# Altium PCB Stabilizer_Pounder.PcbDoc (part 2 of 7) (continued)
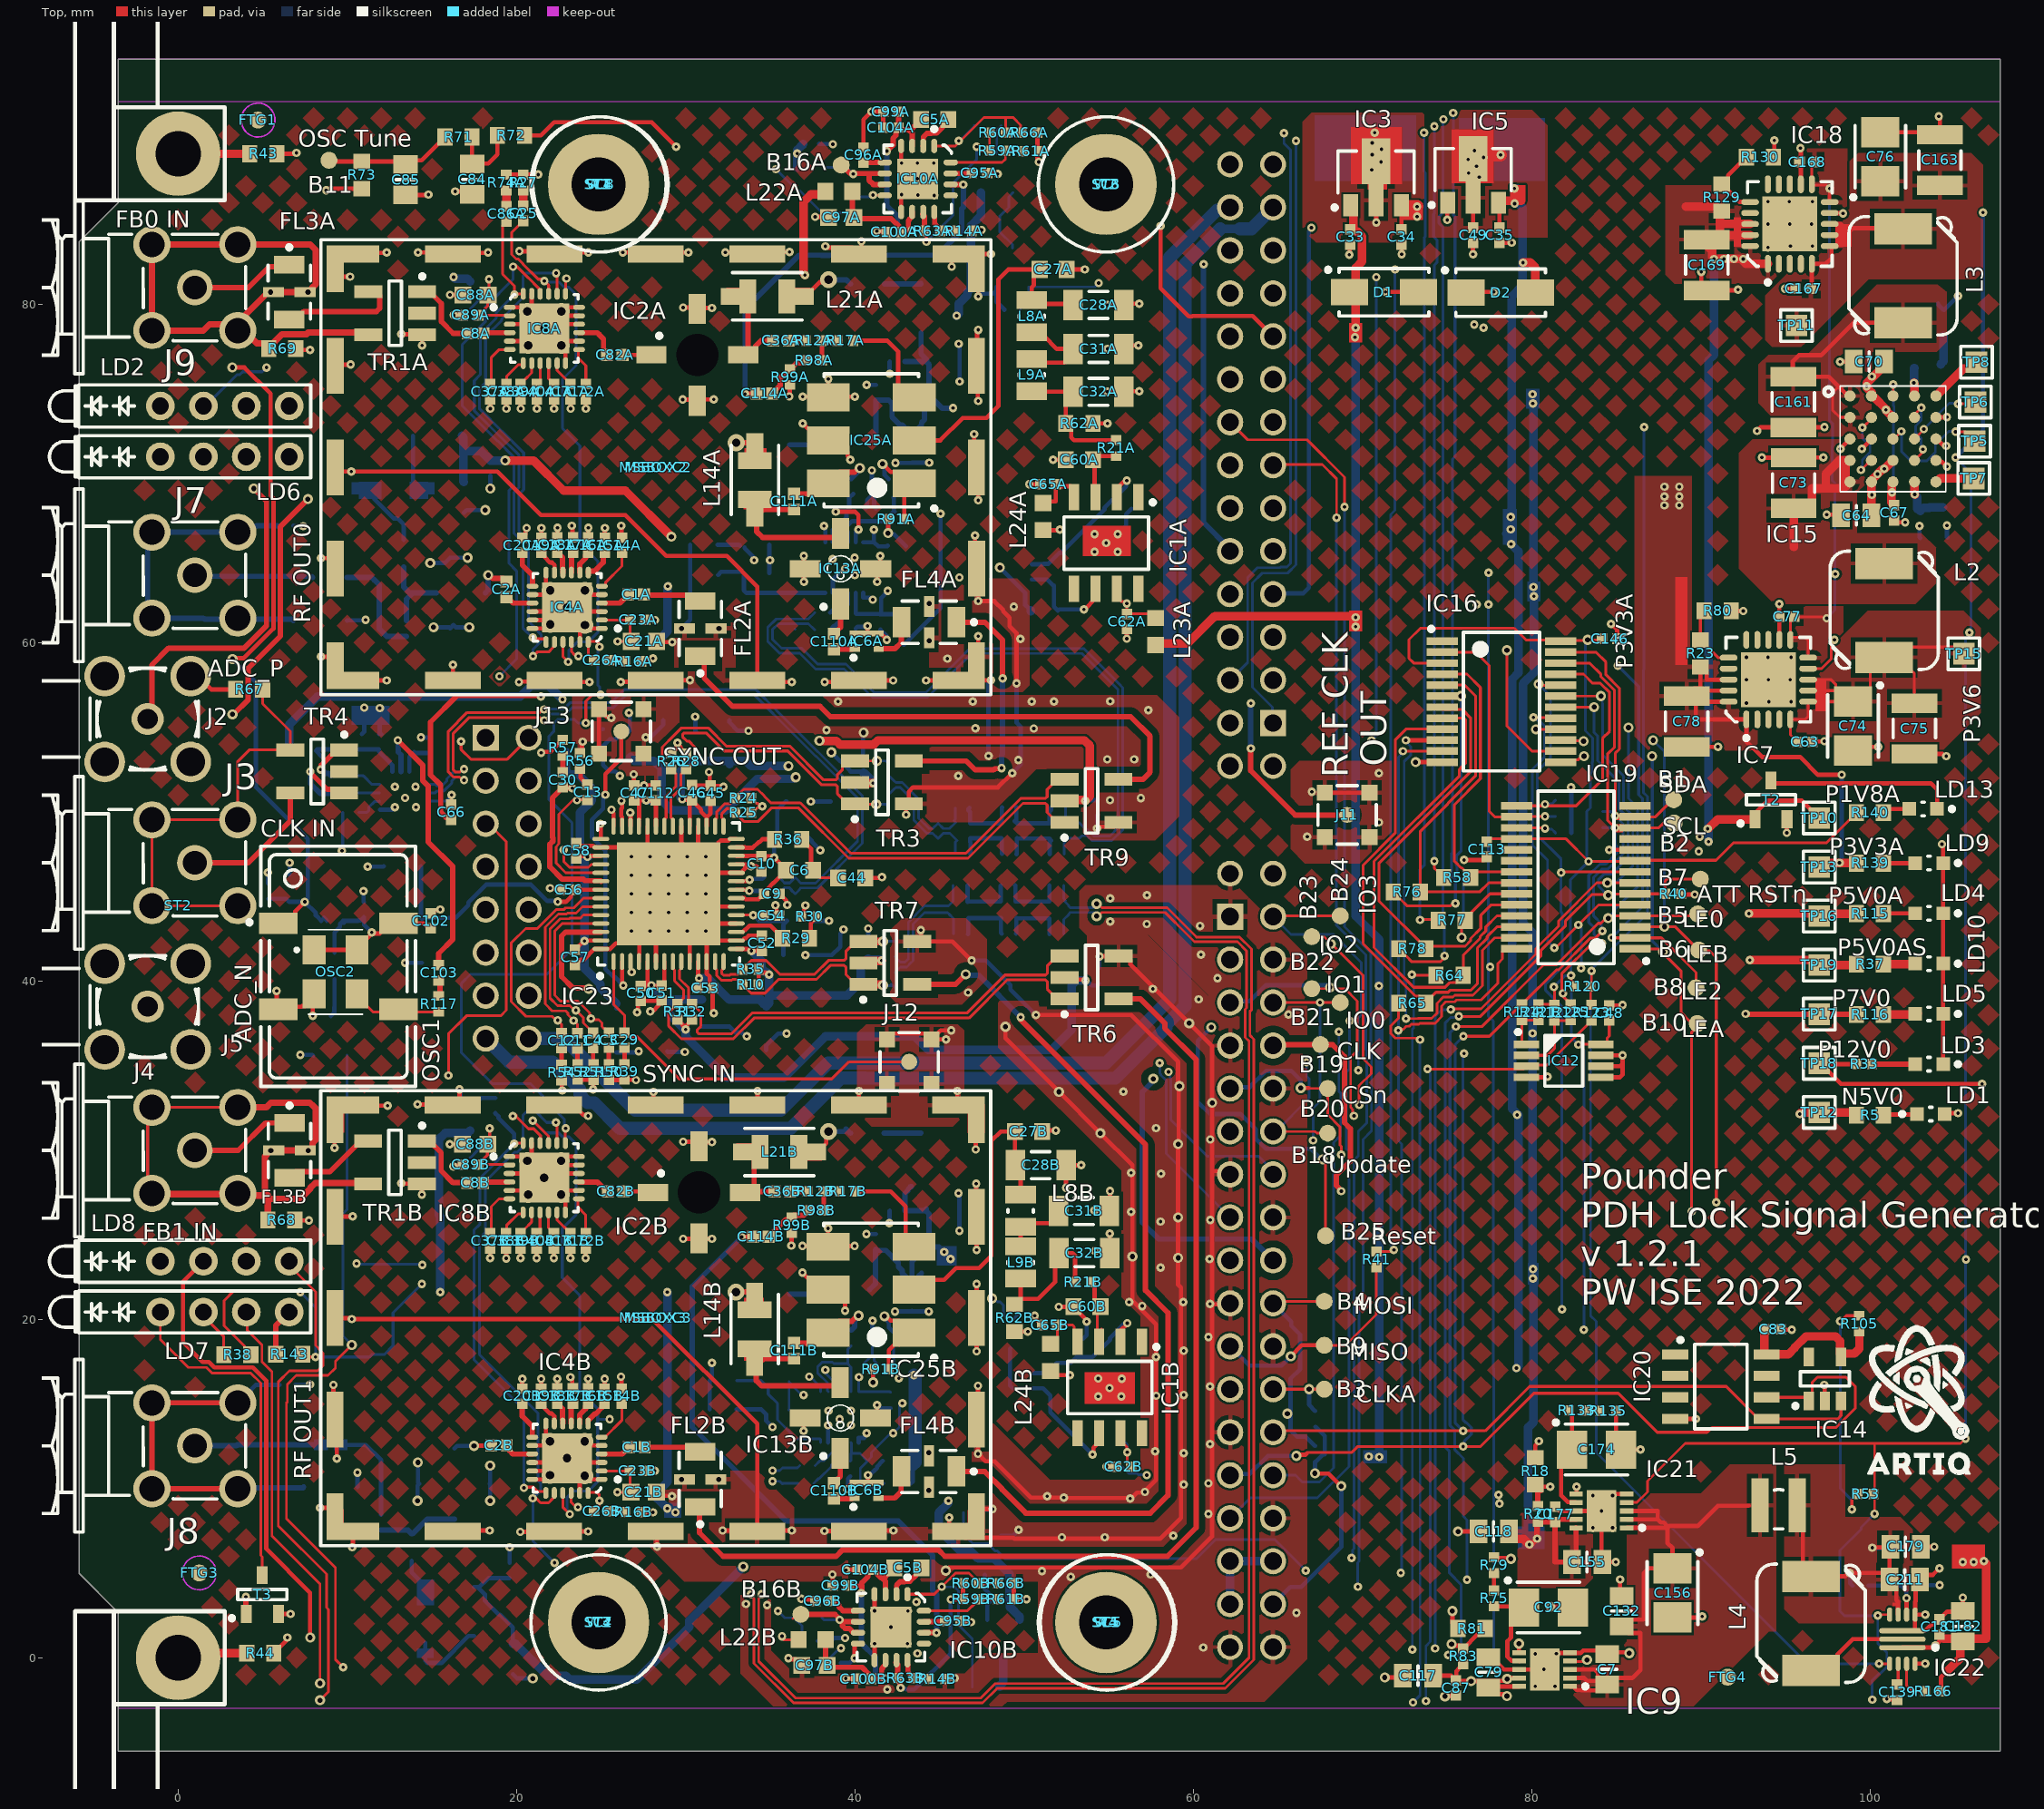
[diagram p0: Top view]
## Part data (continued)
IC4A IC4B IC8A IC8B: "0.5dB LSB GaAs MMIC 6-bit Digital Serial Control Attenuator, DC - 4GHz", Case=QFN24, Manufacturer="HITTITE MICROWAVE CORP", Author="CERN DEM JMW", Bonding=No, ComponentHeight=1mm, Component Type=Standard, CreateDate=2016-08-17, Device=HMC542BLP4E, HelpURL=\\cern.ch\dfs\Applications\Altium\Datasheets\HMC542BLP4E.pdf, LatestRevisionDate=2016-08-17, Manufacturer Part Number=HMC542BLP4E, Mounted=Yes, PackageDescription="QFN, 0.50mm Pitch, Square; 24 Pin, 4.00mm L X 4.00mm W X 1.00mm H Body (w/thermal Tab 2.95 X 2.95mm), IPC Medium Density", Part Description="0.5dB LSB GaAs MMIC 6-bit Digital Serial Control Attenuator, DC to 4GHz", Part Number=HMC542BLP4E, Pin Count=25, PressFit=No, Sense=No, SMD=Yes, Socket=No
IC5: "3-Terminal Regulator 1=GND 2=IN 3=OUT 4=IN", Case=SOT89, Manufacturer="ST MICROELECTRONICS", Author="CERN DEM JLC", Bonding=No, ComponentHeight=1.6mm, Component Type=Standard, CreateDate=29.03.2012, Device=L79L05ACUTR, HelpURL=\\cern.ch\dfs\Applications\Altium\Datasheets\L79L05ACUTR.pdf, LatestRevisionDate=29.03.2012, Manufacturer Part Number=L79L05ACUTR, Mounted=Yes, PackageDescription="SOT89-3, 3-Leads, Body 2.44x4.5mm", Part Description="5V 100mA Negative Voltage Regulator", Part Number=L79L05ACUTR, Pin Count=4, PressFit=No, Sense=No, SMD=Yes, Socket=No
IC6A IC6B: "DC to 10GHz, 100mW, 50 Ohm, 4dB, Precision Chip Attenuator", Manufacturer=SUSUMU, Author="CERN DEM MR", Bonding=No, Component Type=Standard, ComponentHeight=0.5mm, CreateDate=04.10.2017, Device=PAT1220-C-4DB-T10, HelpURL=\\cern.ch\dfs\Applications\Altium\Datasheets\PAT1220-C-4DB-T10.pdf, LatestRevisionDate=04.10.2017, Manufacturer Part Number=PAT1220-C-4DB-T10, Mounted=Yes, PackageDescription="SUSUMU PAT1220, 4 Pin Attenuator, Size 0805, L 2.00 x W 1.25 H 0.5mm", Part Description="DC to 10GHz, 100mW, 50 Ohm, 4dB, Precision Chip Attenuator", Part Number=PAT1220-C-4DB-T10, Pin Count=4, PressFit=No, Sense=No, SMD=Yes, Socket=No
IC7 IC18: "3A, 0.8 to 3.6V Adjustable Low-Dropout Linear Regulator with Programmable Soft-Start", Case=QFN20, Manufacturer="TEXAS INSTRUMENTS", Author="CERN DEM JLC", Bonding=No, ComponentHeight=1mm, Component Type=Standard, CreateDate=07.03.2013, Device=TPS74901RGWT, HelpURL=\\cern.ch\dfs\Applications\Altium\Datasheets\TPS74901RGWT.pdf, LatestRevisionDate=07.03.2013, Manufacturer Part Number=TPS74901RGWT, Mounted=Yes, PackageDescription="QFN, 0.65mm pitch,square; 20 pin, 5mm X 5mm X 1mm H body (w/thermal tab 3.25 X 3.25mm),  IPC Medium Density", Part Description="0.8V to 3.6V, 3.0A Low Dropout Linear Regulator with Programmable Soft-Start", Part Number=TPS74901RGWT, Pin Count=21, PressFit=No, Sense=No, SMD=Yes, Socket=No
IC9 IC21: "20V, 500mA, Ultralow Noise, Ultrahigh PSRR Linear Regulator", Case=SON10, Manufacturer="LINEAR TECHNOLOGY", Author="CERN DEM JLC", Bonding=No, Component Type=Standard, ComponentHeight=0.8mm, CreateDate=07.12.2016, Device=LT3045EDD#PBF, HelpURL=\\cern.ch\dfs\Applications\Altium\Datasheets\LT3045EDD#PBF.pdf, LatestRevisionDate=07.12.2016, Manufacturer Part Number=LT3045EDD#PBF, Mounted=Yes, PackageDescription="SON, 0.50mm Pitch, 10-pin, 3.00mm W  X 3.00mm L X 0.80mm Height, (w/thermal tab 1.75 X 2.48 mm), IPC Medium Density", Part Description="20V, 500mA, Ultralow Noise, Ultrahigh PSRR Linear Regulator", Part Number=LT3045EDD#PBF, Pin Count=11, PressFit=No, Sense=No, SMD=Yes, Socket=No
IC10A IC10B: "50Hz to 6GHz, 50 dB TruPwr Detector", Case=QFN16, Manufacturer="ANALOG DEVICES", Author="CERN DEM JLC", Bonding=No, ComponentHeight=0.8mm, Component Type=Standard, CreateDate=22.02.2017, Device=AD8363ACPZ-R7, HelpURL=\\cern.ch\dfs\Applications\Altium\Datasheets\AD8363ACPZ-R7.pdf, LatestRevisionDate=22.02.2017, Manufacturer Part Number=AD8363ACPZ-R7, Mounted=Yes, PackageDescription="QFN, 0.65mm Pitch, Square; 16 Pin, 4.00mm L X 4.00mm W X 0.80mm H Body (w/Thermal tab 2.4 X 2.4mm),  IPC Medium Density", Part Description="50Hz to 6GHz, 50 dB TruPwr Detector", Part Number=AD8363ACPZ-R7, Pin Count=17, PressFit=No, Sense=No, SMD=Yes, Socket=No
IC11A IC11B IC13A IC13B: "Monolithic Amplifier", Manufacturer=MINI-CIRCUITS, Author="CERN DEM JLC", Bonding=No, Component Type=Standard, ComponentHeight=1.52mm, ComponentLink1Description="Package Drawing", ComponentLink1URL=\\cern.ch\dfs\Applications\Altium\Datasheets\ERA-2SM+_Package-Drawing.pdf, CreateDate=09.12.2013, Device=ERA-2SM+, HelpURL=\\cern.ch\dfs\Applications\Altium\Datasheets\ERA-2SM+.pdf, LatestRevisionDate=09.12.2013, Manufacturer Part Number=ERA-2SM+, Mounted=Yes, PackageDescription="MINI-CIRCUITS WW107 Case, Body 2.16mm Diameter X 1.52mm H", Part Description="DC-6GHz Monolithic Amplifier", Part Number=ERA-2SM+, Pin Count=4, PressFit=No, Sense=No, SMD=Yes, Socket=No
IC12: "Digital Temperature Sensor and Thermal Watchdog with Two-Wire Interface", Case=SSOP8, Manufacturer="TEXAS INSTRUMENTS", Author="CERN DEM JLC", Bonding=No, ComponentHeight=1.09mm, Component Type=Standard, CreateDate=15.10.2012, Device=LM75AIMM/NOPB, HelpURL=\\cern.ch\dfs\Applications\Altium\Datasheets\LM75AIMM-NOPB.pdf, LatestRevisionDate=15.10.2012, Manufacturer Part Number=LM75AIMM/NOPB, Mounted=Yes, PackageDescription="SOP, 0.65mm pitch; 8 pin,3.00mm W X 3.00mm L X 1.09mm H bodyI, PC Medium Density", Part Description="-25° to +100°C ±2°C Digital Temperature Sensor and Thermal Watchdog with Two-Wire Interface", Part Number=LM75AIMM/NOPB, Pin Count=8, PressFit=No, Sense=No, SMD=Yes, Socket=No
IC14: "1.7V-5.5V, 2K I2C Serial EEPROM With EUI-48 Node Identity", Case=SOT23-5, Manufacturer="MICROCHIP TECHNOLOGY", Author="CERN DEM MR", Bonding=No, Component Type=Standard, ComponentHeight=1.45mm, CreateDate=31.03.2016, Device=24AA02E48T-I/OT, HelpURL=\\cern.ch\dfs\Applications\Altium\Datasheets\24AA02E48T-I-OT.pdf, LatestRevisionDate=31.03.2016, Manufacturer Part Number=24AA02E48T-I/OT, Mounted=Yes, PackageDescription="SOT, 0.95mm pitch; 5 pin, 1.60mm W X 2.90mm L X 1.45mm H body, IPC Medium Density", Part Description="1.7V-5.5V, 2K I2C Serial EEPROM With EUI-48 Node Identity", Part Number=24AA02E48T-I/OT, Pin Count=5, PressFit=No, Sense=No, SMD=Yes, Socket=No
IC15: library part PM_LTM4622, "Dual Ultrathin 2A or Single 4A, 3.6V to 20V, 1.5V to 12V   Step-Down DC/DC μModule Regulator", Case=LGA25, Manufacturer="LINEAR TECHNOLOGY", Author=GK, Bonding=No, Component Type=Standard, ComponentHeight=2.92mm, CreateDate=06.05.2010, Device=LTM4622AEV#PBF, HelpURL=\\cern.ch\dfs\Applications\Altium\Datasheets\LTM4619EV#PBF.pdf, LatestRevisionDate=07.12.2011, Manufacturer Part Number=LTM4622AEV#PBF, Mounted=Yes, PackageDescription="LGA, 25-Leads, Body 6.25x6.25mmx1.90mm, Pitch 1.27mm", Part Description="Dual Ultrathin 2A or Single 4A, 3.6V to 20V, 1.5V to 12V   Step-Down DC/DC μModule Regulator", Part Number=LTM4622AEV#PBF, Pin Count=25, PressFit=No, Sense=No, SMD=Yes, Socket=No
IC16: "Remote 16-Bit I2C and SMBus Low-Power I/O Expander With Interrupt Output, Reset, and Configuration Registers", Case=TSSOP24, Manufacturer="TEXAS INSTRUMENTS", Author="CERN DEM HF", Bonding=No, Component Type=Standard, ComponentHeight=2mm, CreateDate=09.06.2022, Device=PCA9539DB, HelpURL=\\cern.ch\dfs\Applications\Altium\Datasheets\PCA9539DB.pdf, LatestRevisionDate=09.06.2022, Manufacturer Part Number=PCA9539DB, Mounted=Yes, PackageDescription="SOP, 0.65mm Pitch; 24 pin, 5.30mm W X 8.20mm L X 2.00mm H body, IPC Medium Density", Part Description="Remote 16-Bit I2C and SMBus Low-Power I/O Expander With Interrupt Output, Reset, and Configuration Registers", Part Number=PCA9539DB, Pin Count=24, PressFit=No, Sense=No, SMD=Yes, Socket=No
IC17A IC17B: library part LTC6957IDD-1#PBF, "Low Phase Noise, Dual Output Buffer/Driver/Logic Converter, LVPECL Logic Outputs", Case=SON12, Manufacturer="LINEAR TECHNOLOGY", Author="CERN DEM JLC", Bonding=No, Component Type=Standard, ComponentHeight=0.8mm, CreateDate=07.12.2016, Device=LTC6957IDD-1, HelpURL=\\cern.ch\dfs\Applications\Altium\Datasheets\LTC6957IDD-1#PBF.pdf, LatestRevisionDate=02.02.2022, Manufacturer Part Number=LTC6957IDD-1, Mounted=Yes, PackageDescription="SON, 0.45mm Pitch; 12 Pin, 3.00mm W X 3.00mm L X 0.80mm H Body (w/Thermal tab 1.75 x 2.48mm), IPC Medium Density", Part Description="Low Phase Noise, Dual Output Buffer/Driver/Logic Converter, LVPECL Logic Outputs", Part Number=LTC6957IDD-1#PBF, Pin Count=13, PressFit=No, Sense=No, SMD=Yes, Socket=No
IC19: "16-bit I/O Port Expander With Serial Interface", Case=SSOP28, Manufacturer="MICROCHIP TECHNOLOGY", Author="CERN DEM JLC", Bonding=No, ComponentHeight=2mm, Component Type=Standard, CreateDate=17.01.2011, Device=MCP23017-E/SS, HelpURL=\\cern.ch\dfs\Applications\Altium\Datasheets\MCP23017-E-SS.pdf, LatestRevisionDate=17.01.2011, Manufacturer Part Number=MCP23017-E/SS, Mounted=Yes, PackageDescription="SOP, 0.65mm Pitch; 28 pin, 5.30mm W X 10.20mm L X 2.00mm H body, IPC Medium Density", Part Description="16-bit I/O Port Expander With Serial Interface", Part Number=MCP23017-E/SS, Pin Count=28, PressFit=No, Sense=No, SMD=Yes, Socket=No
IC20: library part MEM_24AA02E48-I/SN, "1.7V-5.5V, 2K I2C™ Serial EEPROMs with EUI-48™ Node Identity", Case=SOIC8, Manufacturer="MICROCHIP TECHNOLOGY", Author="CERN DEM MR", Bonding=No, Component Type=Standard, ComponentHeight=1.75mm, CreateDate=19.07.2016, Device=24AA02E48-I/SN, HelpURL=\\cern.ch\dfs\Applications\Altium\Datasheets\24AA025E48-I-SN.pdf, LatestRevisionDate=19.07.2016, Manufacturer Part Number=24AA02E48-I/SN, Mounted=Yes, PackageDescription="SOIC, 1.27mm Pitch; 8 Pin - Body 4x5mm, IPC Medium Density", Part Description="1.7V-5.5V, 2K I2C™ Serial EEPROMs with EUI-48™ Node Identity", Part Number=24AA02E48-I/SN, Pin Count=8, PressFit=No, Sense=No, SMD=Yes, Socket=No
IC22: "3V-17V 2A Step-Down Converter, High Accuracy, With DCS-Control", Case=QFN14, Manufacturer="TEXAS INSTRUMENTS", Author="CERN DEM MR", Bonding=No, ComponentHeight=1mm, Component Type=Standard, CreateDate=08.02.2019, Device=TPS62148RGX, HelpURL=\\cern.ch\dfs\Applications\Altium\Datasheets\TPS62148RGX.pdf, LatestRevisionDate=08.02.2019, Manufacturer Part Number=TPS62148RGX, Mounted=Yes, PackageDescription="TEXAS Case Style (R-VQFN-HR-N11), 0.50mm Pitch, 11-pin, 2.00mm W X 3.00mm L X 1.00mm H Body", Part Description="3V-17V 2A Step-Down Converter, High Accuracy, With DCS-Control", Part Number=TPS62148RGX, Pin Count=11, PressFit=No, Sense=No, SMD=Yes, Socket=No
IC23: library part CMP-0293-00014-1, "4-Channel, 500 MSPS DDS with 10-Bit DACs, Serial, CP-56-1, 260 Tray, Pb-Free", Code_JEDEC=MO-220-VLLD-2, Compliance Range (V)=2.3V, ComponentLink1Description="Manufacturer URL", ComponentLink1URL=www.analog.com, ComponentLink2Description=Datasheet, ComponentLink2URL=http://www.analog.com/static/imported-files/data_sheets/AD9959.pdf, ComponentLink3Description="Package Specification", ComponentLink3URL=http://www.analog.com/static/imported-files/packages/32698137492825CP_56_1.pdf, DatasheetVersion="Rev. B", FS Iout (mA nom)=10mA, I/O Interface=Serial, I Supply total (max)=180mA, Master fclk=500MHz, PackageDescription="56-Lead Lead Frame Chip Scale Package [LFCSP_VQ]", PackageReference=CP-56-1, PackageVersion=112805-0, REFCLK Multiplier=Yes, Resolution (Bits)=10bit, Tuning Word Width (bits)=32bit
IC24: "Low-Jitter LVDS Fanout Clock Buffers, 10-Output,  Any-Input, Any-Frequency up to 1250MHz", Case=QFN16, Manufacturer="SILICON LABS", Author="CERN DEM MR", Bonding=No, ComponentHeight=0.9mm, Component Type=Standard, CreateDate=04.09.2017, Device=Si53340-B-GM, HelpURL=\\cern.ch\dfs\Applications\Altium\Datasheets\Si53340-B-GM.pdf, LatestRevisionDate=04.09.2017, Manufacturer Part Number=Si53340-B-GM, Mounted=Yes, PackageDescription="QFN, 0.50mm Pitch, Square; 16 Pin, 3.00mm L X 3.00mm W X 0.90mm H Body (w/thermal tab 1.75mm x 1.75mm), IPC Medium Density", Part Description="Low-Jitter LVDS Fanout Clock Buffers, 10-Output,  Any-Input, Any-Frequency up to 1250MHz", Part Number=Si53340-B-GM, Pin Count=17, PressFit=No, Sense=No, SMD=Yes, Socket=No
IC25A IC25B: "Frequency Mixer - Level 7 (LO Power +7 dBm) 0.5 to 500 MHz", Manufacturer=MINI-CIRCUITS, Manufacturer Part Number=MINI-CIRCUITS_CD636, Author="CERN DEM MR", Bonding=No, ComponentHeight=4.11mm, Component Type=Standard, CreateDate=21.10.2019, Device=ADE-1+, HelpURL=\\cern.ch\dfs\Applications\Altium\Datasheets\ADE-1+.pdf, LatestRevisionDate=21.10.2019, Mounted=Yes, PackageDescription="MINI-CIRCUITS CD636 Case, 2.54mm pitch; 6 pin, 5.59mm W X 7.87mm L", Part Description="Frequency Mixer - Level 7 (LO Power +7 dBm) 0.5 to 500MHz", Part Number=ADE-1+, Pin Count=6, PressFit=No, Sense=No, SMD=Yes, Socket=No
J1: "Connector Elevated Socket 26 POS 2.54mm, 13.59mm height", Manufacturer=Samtec, Manufacturer Part Number=ESW-113-23-L-D
J2 J5: library part AMPHENOL_919-383J-51A, Manufacturer=AMPHENOL, Manufacturer Part Number=919-383J-51A, Author="CERN DEM BC", ComponentHeight=6mm, Component Type=Standard, CreateDate=31.01.2019, Family=MCX, HelpURL=\\cern.ch\dfs\Applications\Altium\Datasheets\AMPHENOL_919-383J-51A.pdf, LatestRevisionDate=31.01.2019, Mounted=Yes, Part Description="50 Ohm, RF Connector, MCX Right Angle PCB Receptacle Jack", Part Number=AMPHENOL_919-383J-51A, Pin Count=5, PressFit=No, Sense=No, SMD=No, Socket=No, Status=None
J3 J4 J7 J8 J9: library part CON_SMA_DELOCK_65848, "50 Ohm Through Hole SMA Right Angle PCB Jack", Manufacturer=DELOCK, Manufacturer Part Number="5848 (4043619658480)", Part Number=DELOCK_65848, Author=GK, Component Type=Standard, ComponentHeight=12.5, CreateDate=13.05.2019, Family=SMA, HelpURL=\\cern.ch\dfs\Applications\Altium\Datasheets\AMPHENOL_132203-16.pdf, LatestRevisionDate=13.05.2019, Mounted=Yes, Part Description="50 Ohm Through Hole SMA Right Angle PCB Jack", Pin Count=5, PressFit=No, Sense=No, SMD=No, Socket=No, Status=None
J6: "Connector Elevated Socket 16 POS 2.54mm, 13.59mm height", Manufacturer=Samtec, Manufacturer Part Number=ESW-108-23-L-D
J10: "Connector Elevated Socket 34 POS 2.54mm, 13.59mm height", Manufacturer=Samtec, Manufacturer Part Number=ESW-117-23-L-D
J11 J12 J13: library part CON_RF_MMCX_SMT, "SMT MMCX connector", Manufacturer=Molex, Manufacturer Part Number=73415-2063, Author=GK, Component Type=Standard, ComponentHeight=4.35mm, CreateDate=05.12.2012, HelpURL=\\cern.ch\dfs\Applications\Altium\Datasheets\SAMTEC_MMCX-J-P-H-ST-TH1.pdf, LatestRevisionDate=05.12.2012, Mounted=Yes, Part Description="Straight Through-hole 50 Ohm Micro Mini RF Jack, MMCX Series", Part Number=73415-2063, Pin Count=2, PressFit=No, Sense=No, SMD=No, Socket=No, Status=None
L1 L10 L13 L25 L26 L27 L28 L29 L31A L31B: library part IND0603_MURATA_BLM18PG121SN1D, "Inductor", Case=0603, Manufacturer=MURATA, Manufacturer Part Number=BLM18PG121SN1D, Power=2A, Resistance=0.05R, Author="CERN DEM BC", ComponentHeight=0.95mm, Component Type=Standard, CreateDate=2015-07-27, HelpURL=\\cern.ch\dfs\Applications\Altium\Datasheets\IND0603_MURATA_BLM18P.pdf, LatestRevisionDate=2015-07-27, Mounted=Yes, Part Description="SMD EMIFIL Chip Ferrite Bead", Part Number=IND0603_MURATA_BLM18PG121SN1D, Pin Count=2, Sense=No, SMD=Yes, Socket=No, Status=None
L2 L3 L4: library part IND_1.5UH_20%_TDK_SPM6530, "Inductor With Core", Manufacturer=TDK, Manufacturer Part Number=SPM6530T-1R5M100, Power=11A, Resistance=0.0097R, Tolerance=±20%, Author="CERN DEM MR", ComponentHeight=3mm, Component Type=Standard, CreateDate=08.11.2016, HelpURL=\\cern.ch\dfs\Applications\Altium\Datasheets\IND_TDK_SPM6530.pdf, LatestRevisionDate=08.11.2016, Mounted=Yes, Part Description="SMD Inductor for Power Circuits (Wound Metal), SPM Series", Part Number=IND_1.5UH_20%_TDK_SPM6530, Pin Count=2, Sense=No, SMD=Yes, Socket=No, Status=None
L5 L6 L7: library part IND_4.7UH_30%_WURTH_WE-TPC_744029004, "Inductor With Core", Manufacturer="WURTH ELEKTRONIK", Manufacturer Part Number=744029004, Power=1A, Resistance=0.017R, Tolerance=±30%, Author="CERN DEM JLC", Component Type=Standard, ComponentHeight=3mm, CreateDate=20.11.2014, HelpURL=\\cern.ch\dfs\Applications\Altium\Datasheets\IND_WURTH_WE-TPC_744029004.pdf, LatestRevisionDate=20.11.2014, Mounted=Yes, Part Description="Shielded Tiny Power Inductor (WE-TPC Series)", Part Number=IND_4.7UH_30%_WURTH_WE-TPC_744029004, Pin Count=2, Sense=No, SMD=Yes, Socket=No, Status=None
L8A L8B L9A L9B: library part IND_27UH_5%_TAIYO-YUDEN_LSQMB201616T270J, "Inductor", Manufacturer="TAIYO YUDEN", Manufacturer Part Number=LSQMB201616T270J, Power=0.13A, Resistance=3.2R, Tolerance=±5%, Author="CERN DEM HF", Component Type=Standard, ComponentHeight=1.8mm, CreateDate=04.08.2022, HelpURL=\\cern.ch\dfs\Applications\Altium\Datasheets\IND_TAIYO-YUDEN_LSQMB201616T270J.pdf, LatestRevisionDate=04.08.2022, Mounted=Yes, Part Description="Surface Mount Inductor, LSQM Series", Part Number=IND_27UH_5%_TAIYO-YUDEN_LSQMB201616T270J, Pin Count=2, Sense=No, SMD=Yes, Socket=No
L11A L11B L12A L12B L22A L22B L23A L23B L24A L24B: library part IND0603_TDK_MPZ1608R391A, "Inductor", Case=0603, Manufacturer=TDK, Manufacturer Part Number=MPZ1608R391A, Power=1.2A, Resistance=0.12R, Tolerance=±25%, Author="CERN DEM JLC", ComponentHeight=0.95mm, Component Type=Standard, CreateDate=2009-12-02, HelpURL=\\cern.ch\dfs\Applications\Altium\Datasheets\IND0603_TDK_MPZ1608.pdf, LatestRevisionDate=2009-12-02, Mounted=Yes, Part Description="SMT Chip Bead for Power Line", Part Number=IND0603_TDK_MPZ1608R391A, Pin Count=2, Sense=No, SMD=Yes, Socket=No, Status=None
L14A L14B L15A L15B L21A L21B: library part IND_10UH_10%_MURATA_LQH32CN100K33L, "Inductor With Core", Manufacturer=MURATA, Manufacturer Part Number=LQH32CN100K33L, Power=450mA, Resistance=0.3R, Tolerance=±10%, Author="CERN DEM JLC", ComponentHeight=2.2mm, Component Type=Standard, CreateDate=06.04.2009, HelpURL=\\cern.ch\dfs\Applications\Altium\Datasheets\IND_MURATA_LQH32CN_33.pdf, LatestRevisionDate=04.07.2018, Mounted=Yes, Part Description="Chip Inductor (Chip Coil) for Choke Wire Wound Type", Part Number=IND_10UH_10%_MURATA_LQH32CN100K33L, Pin Count=2, Sense=No, SMD=Yes, Socket=No, Status=None
L16A L16B L19A L19B: library part IND0402_47NH_2%_MURATA_LQW15AN47NG00, "Inductor With Core", Case=0402, Manufacturer=MURATA, Manufacturer Part Number=LQW15AN47NG00, Power=210mA, Resistance=1R08, Tolerance=±2%, Author="CERN DEM HF", Component Type=Standard, ComponentHeight=0.6mm, CreateDate=05.08.2022, HelpURL=\\cern.ch\dfs\Applications\Altium\Datasheets\IND_MURATA_LQW15AN47NG00.pdf, LatestRevisionDate=05.08.2022, Mounted=Yes, Part Description="Wire Wound RF Inductor", Part Number=IND0402_47NH_2%_MURATA_LQW15AN47NG00, Pin Count=2, Sense=No, SMD=Yes, Socket=No
L17A L17B L18A L18B L20A L20B L30A L30B: library part IND0402_33NH_2%_MURATA_LQW15AN33NG00, "Inductor With Core", Case=0402, Manufacturer=MURATA, Manufacturer Part Number=LQW15AN33NG00, Power=260mA, Resistance=0R63, Tolerance=±2%, Author="CERN DEM HF", Component Type=Standard, ComponentHeight=0.6mm, CreateDate=05.08.2022, HelpURL=\\cern.ch\dfs\Applications\Altium\Datasheets\IND_MURATA_LQW15AN33NG00.pdf, LatestRevisionDate=05.08.2022, Mounted=Yes, Part Description="Wire Wound RF Inductor", Part Number=IND0402_33NH_2%_MURATA_LQW15AN33NG00, Pin Count=2, Sense=No, SMD=Yes, Socket=No
LD1 LD3 LD4 LD5 LD9 LD10 LD13: library part LED_0603_Green, "Green 0603", Manufacturer=KINGBRIGHT, Manufacturer Part Number=KPH-1608CGCK, Part Number=LED_KINGBRIGHT_KPH-1608CGCK, Author="CERN DEM JLC", Bonding=No, Color=Green, ComponentHeight=0.65mm, Component Type=Standard, CreateDate=03.07.2017, HelpURL=\\cern.ch\dfs\Applications\Altium\Datasheets\LED_KINGBRIGHT_KPH-1608CGCK.pdf, LatestRevisionDate=03.07.2017, Mounted=Yes, PackageDescription="SMT Green LED, Case 0603, Body L 1.6 x W 0.8mm H 0.65mm", Part Description="SMD Green LED, Case 1.6mmX0.8mm(0603), 0.65mm Thickness", Pin Count=2, PressFit=No, Sense=No, SMD=Yes, Socket=No
LD2 LD6 LD7 LD8: library part LED_DIALIGHT_571-0112F, "2x LED  Botom Green, Top Red", Manufacturer=DIALIGHT, Manufacturer Part Number=571-0112F, Author="CERN DEM JLC", Bonding=No, Color=Red/Green, Component Type=Standard, ComponentHeight=8.6mm, CreateDate=09.11.2009, HelpURL=\\cern.ch\dfs\Applications\Altium\Datasheets\LED_DIALIGHT_571-0112F.pdf, LatestRevisionDate=17.03.2010, Mounted=Yes, PackageDescription="2x 2mm LED (Top: Red, Bot: Green) PCB Edge Mounting (Without positioning pins) DIALIGHT 571 Serie", Part Description="Dual 2mm  LEDs, Red Top,Green Bot, CBI® Circuit Board Indicator (Without positioning pins)", Part Number=LED_DIALIGHT_571-0112F, Pin Count=4, PressFit=No, Sense=No, SMD=No, Socket=No
MSBOX2 MSBOX3: library part MSBOX_LAIRD_BMI-S-205-F, Manufacturer=LAIRD, Manufacturer Part Number=BMI-S-205-F, Author="CERN DEM JLC", ComponentHeight=6mm, Component Type=Standard, CreateDate=21.06.2017, HelpURL=\\cern.ch\dfs\Applications\Altium\Datasheets\MSBOX_LAIRD_BMI-S-205-F.pdf, LatestRevisionDate=21.06.2017, Mounted=Yes, PackageDescription="Frame of Standard Surface Mount Shield (Two Piece), External Dimensions 25.4 x 38.1mm", Part Description="Frame of Standard Surface Mount Shield (Two Piece), External Dimensions 25.4 x 38.1mm", Part Number=MSBOX_LAIRD_BMI-S-205-F, Pin Count=20, PressFit=No, Sense=No, SMD=Yes, Socket=No, Status=None
MSBOXC2 MSBOXC3: library part MSBOX_LAIRD_BMI-S-205-C, "Metal Screening Box - Top Cover 0 Pin", Manufacturer=LAIRD, Manufacturer Part Number=BMI-S-205-C, Author="CERN DEM JLC", ComponentHeight=2mm, Component Type=Standard, CreateDate=21.06.2017, HelpURL=\\cern.ch\dfs\Applications\Altium\Datasheets\MSBOX_LAIRD_BMI-S-205-C.pdf, LatestRevisionDate=21.06.2017, Mounted=Yes, PackageDescription="Cover for Frame of Standard Surface Mount Shield (Two Piece), External Dimensions 25.86 x 38.56mm", Part Description="Cover for Frame of Standard Surface Mount Shield (Two Piece), External Dimensions 25.86 x 38.56mm", Part Number=MSBOX_LAIRD_BMI-S-205-C, Pin Count=0, PressFit=No, Sense=No, SMD=Yes, Socket=No, Status=None
OSC1: library part OSC_CCHD-950, "100MHz low noise oscillator", Manufacturer="CRYSTEK CRYSTAL", Manufacturer Part Number=CCHD-950-25-100.000, Part Number=OSC_100MHZ_CRYSTEK_CCHD-950-25-100.000, Author=GK, Bonding=No, ComponentHeight=5.3mm, Component Type=Standard, CreateDate=04.11.2016, HelpURL=\\cern.ch\dfs\Applications\Altium\Datasheets\OSC_CRYSTEK_CVHD-950.pdf, LatestRevisionDate=04.11.2016, Mounted=Yes, PackageDescription="Oscillator, 5.08mm Pitch; 4 Pin, 14.2mm L X 9.14mm W X 5.3mm H, CCHD-950 Serie", Part Description="3.3V, ±25ppm, 0..70°C, CMOS Surface Mount Ultra-Low Noise Oscillator (CCHD-950 Series)", Pin Count=4, PressFit=No, Sense=No, SMD=Yes, Socket=No
OSC2: "Crystal or Oscillator", Manufacturer_Name="Silicon Labs", Mouser Part Number=634-510CCA100M000BAG, Datasheet Link=https://www.silabs.com/documents/public/data-sheets/si510-11.pdf, Height=1mm, Manufacturer_Part_Number=510CCA100M000BAG, Mouser Price/Stock=https://www.mouser.com/Search/Refine.aspx?Keyword=634-510CCA100M000BAG
R1A R1B R3A R3B R34A R34B: library part R1206_82R_1%_0.25W_100PPM, "Resistor - 1%", Case=1206, Manufacturer=GENERIC, Manufacturer1 ComponentHeight=0.65mm, Manufacturer1 Example="NIC COMPONENT", Manufacturer1 Part Number=NRC12F82R0TRF, Power=0.25W, Tolerance=±1%, Author="CERN DEM JLC", Component Type=Standard, CreateDate=03.12.2007, HelpURL=\\cern.ch\dfs\Applications\Altium\Datasheets\R1206_NIC_NRC.pdf, LatestRevisionDate=13.03.2008, Manufacturer Part Number=R1206_82R_1%_0.25W_100PPM, Mounted=Yes, Part Description="General Purpose Thick Film Chip Resistor", Part Number=R1206_82R_1%_0.25W_100PPM, Pin Count=2, PressFit=No, Sense=No, SMD=Yes, Socket=No, Status=Preferred, TC=±100ppm/°C
R2A R2B R4A R4B: library part R0805_6R8_1%_0.125W_200PPM, "Resistor - 1%", Case=0805, Manufacturer=GENERIC, Manufacturer1 ComponentHeight=0.65mm, Manufacturer1 Example="YAGEO PHYCOMP", Manufacturer1 Part Number="232273466808L or RC0805FR-076R8L", Power=0.125W, Tolerance=±1%, Author="CERN DEM JLC", Component Type=Standard, CreateDate=03.12.2007, HelpURL=\\cern.ch\dfs\Applications\Altium\Datasheets\R0805_Phycomp_RC0805.pdf, LatestRevisionDate=17.10.2012, Manufacturer Part Number=R0805_6R8_1%_0.125W_200PPM, Mounted=Yes, Part Description="General Purpose Thick Film Chip Resistor", Part Number=R0805_6R8_1%_0.125W_200PPM, Pin Count=2, PressFit=No, Sense=No, SMD=Yes, Socket=No, Status=Preferred, TC=±200ppm/°C
R5: library part R0603_3k3_1%_0.1W_100PPM, "Resistor - 1%", Case=0603, Manufacturer=GENERIC, Manufacturer1 ComponentHeight=0.55mm, Manufacturer1 Example="NIC COMPONENT", Manufacturer1 Part Number=NRC06F3301TRF, Manufacturer Part Number=R0603_3K3_1%_0.1W_100PPM, Power=0.1W, Tolerance=±1%, Author="CERN DEM JLC", Component Type=Standard, CreateDate=03.12.2007, HelpURL=\\cern.ch\dfs\Applications\Altium\Datasheets\R0603_NIC_NRC.pdf, LatestRevisionDate=13.03.2008, Mounted=Yes, Part Description="General Purpose Thick Film Chip Resistor", Part Number=R0603_3K3_1%_0.1W_100PPM, Pin Count=2, PressFit=No, Sense=No, SMD=Yes, Socket=No, Status=Preferred, TC=±100ppm/°C
R6A R6B R19A R19B R21A R21B R46 R47 R48 R91A R91B R103A R103B R123 R124 R125: library part R0402_0R_JUMPER, "Resistor", Case=0402, Manufacturer=GENERIC, Manufacturer1 ComponentHeight=0.4mm, Manufacturer1 Example="YAGEO PHYCOMP", Manufacturer1 Part Number=232270591001L, Author="CERN DEM JLC", Component Type=Standard, HelpURL=\\cern.ch\dfs\Applications\Altium\Datasheets\R0402_Phycomp_RC0402.pdf, Manufacturer Part Number=R0402_0R_JUMPER, Mounted=Yes, Part Description="1A (0.05R Max DC Resistance) Zero Ohm Jumper", Part Number=R0402_0R_JUMPER, Pin Count=2, Sense=No, SMD=Yes, Socket=No
  R6A R6B R19A R19B R91A R91B R123 R124 R125: CreateDate=03.12.2007, LatestRevisionDate=17.10.2012, Status="Not recommended"
  R21A R21B R103A R103B: CreateDate=03.12.2007, LatestRevisionDate=17.10.2012, PressFit=No, Status="Not Recommended"
  R46 R47 R48: CreateDate=2007-12-03, LatestRevisionDate=2012-10-17, Status="Not recommended"
R7A R7B: library part R0603_200R_1%_0.1W_100PPM, "Resistor - 1%", Case=0603, Manufacturer=GENERIC, Manufacturer1 ComponentHeight=0.55mm, Manufacturer1 Example="NIC COMPONENT", Manufacturer1 Part Number=NRC06F2000TRF, Power=0.1W, Tolerance=±1%, Author="CERN DEM JLC", Component Type=Standard, CreateDate=03.12.2007, HelpURL=\\cern.ch\dfs\Applications\Altium\Datasheets\R0603_NIC_NRC.pdf, LatestRevisionDate=13.03.2008, Manufacturer Part Number=R0603_200R_1%_0.1W_100PPM, Mounted=Yes, Part Description="General Purpose Thick Film Chip Resistor", Part Number=R0603_200R_1%_0.1W_100PPM, Pin Count=2, PressFit=No, Sense=No, SMD=Yes, Socket=No, Status=Preferred, TC=±100ppm/°C
R8A R8B R13A R13B R36 R43 R44 R67 R68 R69 R73 R86A R86B R95A R95B: library part R0603_0R_JUMPER, "Resistor", Case=0603, Manufacturer=GENERIC, Manufacturer1 ComponentHeight=0.55mm, Manufacturer1 Example="NIC COMPONENT", Manufacturer1 Part Number=NRC06Z0, Author="CERN DEM JLC", Component Type=Standard, HelpURL=\\cern.ch\dfs\Applications\Altium\Datasheets\R0603_NIC_NRC.pdf, Manufacturer Part Number=R0603_0R_JUMPER, Part Description="1A (0.05R Max DC Resistance) Zero Ohm Jumper", Part Number=R0603_0R_JUMPER, Pin Count=2, PressFit=No, Sense=No, SMD=Yes, Socket=No, Status=Preferred
  R8A R8B: CreateDate=03.12.2007, LatestRevisionDate=13.03.2008, Mounted=Yes
  R13A R13B: CreateDate=03/12/2007, LatestRevisionDate=13/03/2008, Mounted=No
  R36 R43 R44 R67 R68 R69 R73 R86A R86B R95A R95B: CreateDate=03/12/2007, LatestRevisionDate=13/03/2008, Mounted=Yes
R9A R9B R22A R22B: library part R0603_NO-VALUE, "Resistor", Case=0603, Author="CERN DEM JLC", Component Type=Standard, CreateDate=03.12.2007, HelpURL=Undefined, LatestRevisionDate=13.03.2008, Manufacturer=Undefined, Manufacturer1 ComponentHeight=Undefined, Manufacturer1 Example=Undefined, Manufacturer1 Part Number=Undefined, Manufacturer Part Number=R0603_NO-VALUE, Mounted=No, Part Description="Reserved Footprint For a 0603 (1608) Chip Resistor", Part Number=R0603_NO-VALUE, Pin Count=2, PressFit=No, Sense=No, SMD=Yes, Socket=No, Status=None
R10 R15 R24 R25 R26 R28 R31 R32 R35 R100A R100B R101A R101B R102A R102B R162: library part R0402_49R9_1%_0.0625W_100PPM, "Resistor - 1%", Case=0402, Manufacturer=GENERIC, Manufacturer1 ComponentHeight=0.4mm, Manufacturer1 Example="YAGEO PHYCOMP", Manufacturer1 Part Number="232270674999L or RC0402FR-0749R9L", Power=0.0625W, Tolerance=±1%, Author="CERN DEM JLC", Component Type=Standard, CreateDate=24.10.2012, HelpURL=\\cern.ch\dfs\Applications\Altium\Datasheets\R0402_Phycomp_RC0402.pdf, LatestRevisionDate=24.10.2012, Manufacturer Part Number=R0402_49R9_1%_0.0625W_100PPM, Mounted=Yes, Part Description="General Purpose Thick Film Chip Resistor", Part Number=R0402_49R9_1%_0.0625W_100PPM, Pin Count=2, PressFit=No, Sense=No, SMD=Yes, Socket=No, Status="Not Recommended", TC=±100ppm/°C
R11A R11B: library part R0603_3K6_1%_0.1W_100PPM, "Resistor - 1%", Case=0603, Manufacturer=GENERIC, Manufacturer1 ComponentHeight=0.55mm, Manufacturer1 Example="NIC COMPONENT", Manufacturer1 Part Number=NRC06F3601TRF, Power=0.1W, Tolerance=±1%, Author="CERN DEM JLC", Component Type=Standard, CreateDate=03.12.2007, HelpURL=\\cern.ch\dfs\Applications\Altium\Datasheets\R0603_NIC_NRC.pdf, LatestRevisionDate=13.03.2008, Manufacturer Part Number=R0603_3K6_1%_0.1W_100PPM, Mounted=Yes, Part Description="General Purpose Thick Film Chip Resistor", Part Number=R0603_3K6_1%_0.1W_100PPM, Pin Count=2, PressFit=No, Sense=No, SMD=Yes, Socket=No, Status=Preferred, TC=±100ppm/°C